# Altium PCB Thunderscope_Rev2.PCBDOC (part 6 of 6)
Units mm, origin at the board's own origin, x right, y up, seen from the top; angles counter-clockwise.
Board outline 119 x 104 mm, 6 copper layers (Top Layer, Int1 (GND), Int2 (Sign), Int3 (Sign), Int4 (GND), Bottom Layer), stack 1.49 mm thick; 547 components, 321 nets, 1905 pads, 1168 vias.
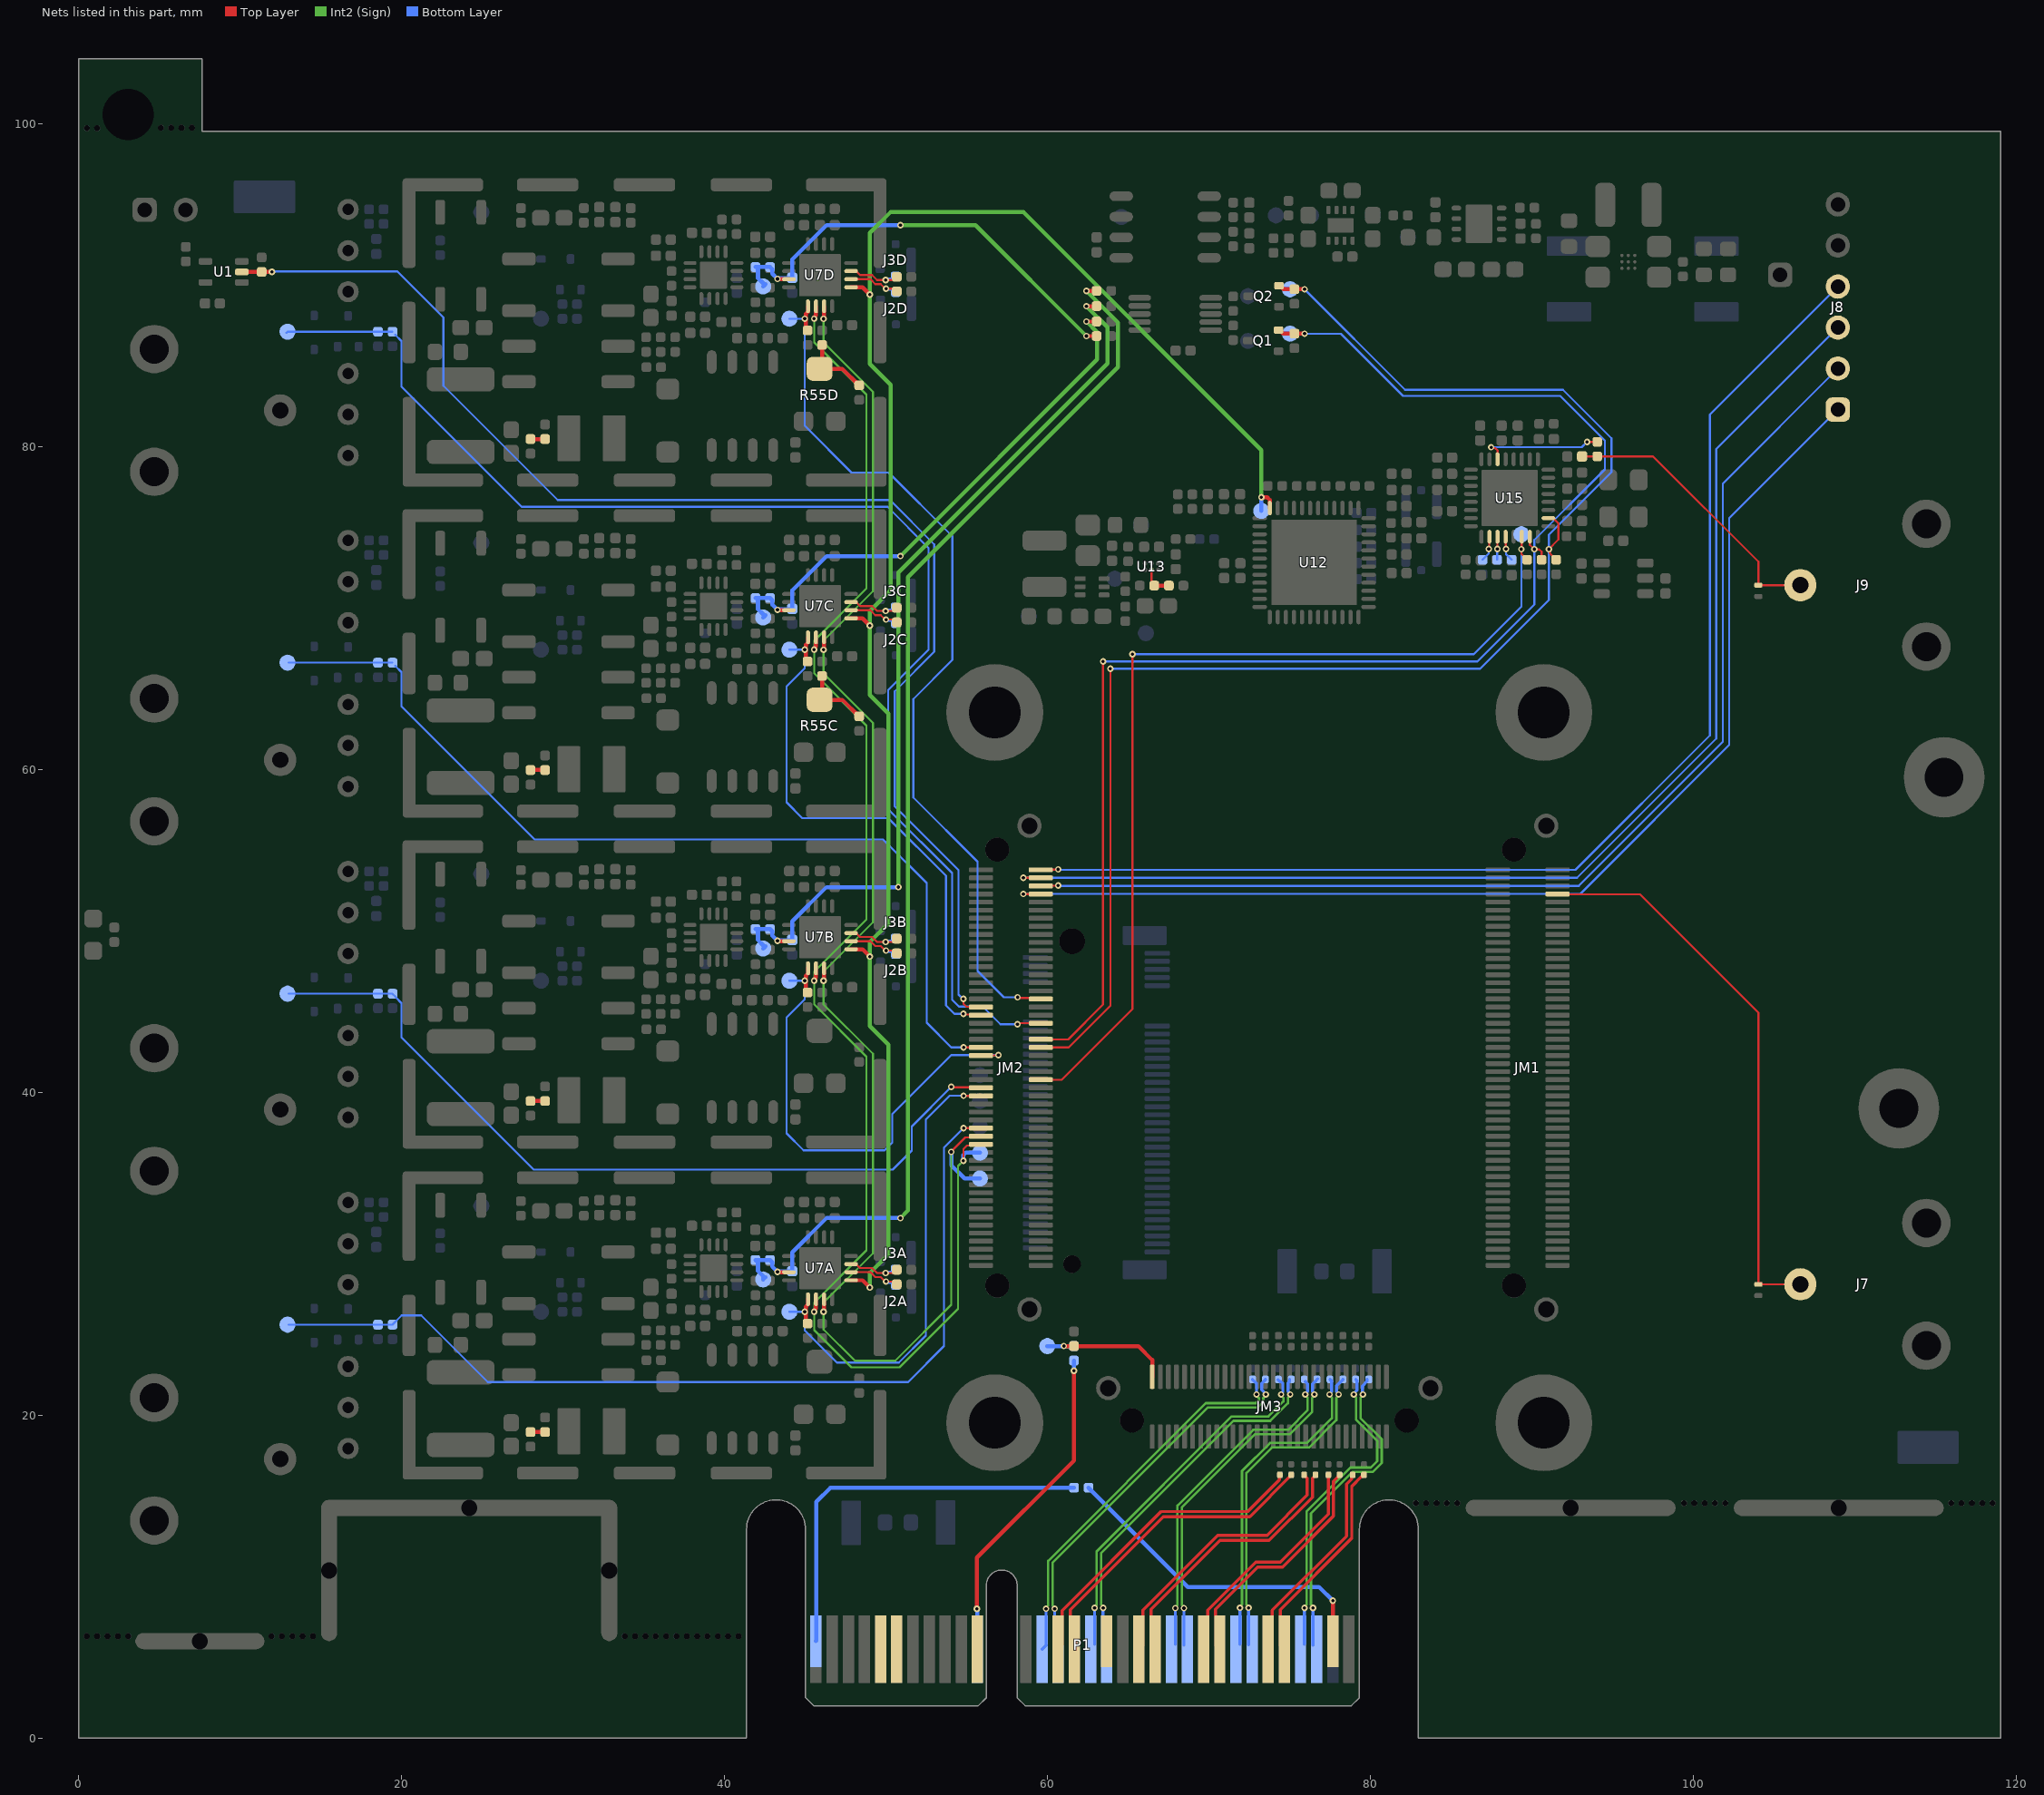
[diagram p10: the nets of this part, all layers, seen from the top]

## Via types
v1: diameter 0.406, hole 0.203, Top Layer to Bottom Layer, tented both sides, 1168 vias

## Nets (pads, with @x,y where several pads share a name; then routed paths per layer and width w, separated by ;. In a path a pad name is that pad's centre, name@x,y a point inside that pad or via, vN(x,y) a via of type N, cw(c..) or ccw(c..) an arc to the next point about the centre after c; other vN are vias at no path point) (continued)
NetR52C_1: R52C.1 R54C.2 R55C.2 | length 4.4
  Top Layer w0.25: R52C.1@46.025,65.775 46.025,64.45 R55C.2@45.875,64.3 47.278,64.3 48.303,63.275 R54C.2@48.325,63.275
NetR52D_1: R52D.1 R54D.2 R55D.2 | length 4.4
  Top Layer w0.25: R52D.1@46.025,86.275 46.025,84.95 R55D.2@45.875,84.8 47.278,84.8 48.303,83.775 R54D.2@48.325,83.775
NetR59_1: R59.1 R61.2 U13.B1 | length 1.9
  Top Layer w0.127: U13.B1@66.425,72.35 66.425,71.55 R59.1@66.6,71.375
  Top Layer w0.254: R59.1@66.6,71.375 R61.2@67.5,71.375
NetR88_1: R88.1 U15.14 | length 7.7
  Top Layer w0.127: v1(87.454,79.943) 87.504,79.893 87.707,79.893 87.85,79.75 U15.14@87.85,79.2 ; v1(93.395,80.275) R88.1@94.025,80.275
  Bottom Layer w0.127: v1(87.454,79.943) 93.063,79.943 v1(93.395,80.275)
NetR92_2: R92.2 U15.28 | length 1.6
  Top Layer w0.127: U15.28@88.35,74.4 88.363,74.387 88.363,73.658 v1(88.375,73.646)
  Bottom Layer w0.127: v1(88.375,73.646) 88.375,73.325 R92.2@88.725,72.975
NetR93_2: R93.2 U15.27 | length 1.4
  Top Layer w0.127: v1(87.841,73.645) 87.846,73.649 87.846,74.396 U15.27@87.85,74.4
  Bottom Layer w0.127: R93.2@87.825,72.975 87.833,72.983 87.833,73.637 v1(87.841,73.645)
NetR94_2: R94.2 U15.26 | length 1.6
  Top Layer w0.127: v1(87.307,73.647) 87.329,73.668 87.329,74.379 U15.26@87.35,74.4
  Bottom Layer w0.127: R94.2@86.925,72.975 87.307,73.357 v1(87.307,73.647)
NetR99A_1: R99A.1 R100A.2 | length 0.9
  Top Layer w0.254: R99A.1@27.975,18.95 R100A.2@28.875,18.95
NetR99B_1: R99B.1 R100B.2 | length 0.9
  Top Layer w0.254: R99B.1@27.975,39.45 R100B.2@28.875,39.45
NetR99C_1: R99C.1 R100C.2 | length 0.9
  Top Layer w0.254: R99C.1@27.975,59.95 R100C.2@28.875,59.95
NetR99D_1: R99D.1 R100D.2 | length 0.9
  Top Layer w0.254: R99D.1@27.975,80.45 R100D.2@28.875,80.45
OUT_RA_N: J2A.1 R40A.1 U7A.14 | length 3.9
  Top Layer w0.127: U7A.14@47.825,28.85 49.018,28.85 49.323,28.545 49.662,28.545 49.938,28.269 v1(49.982,28.269) 50.481,28.269 R40A.1@50.65,28.1
  Bottom Layer w0.127: v1(49.982,28.269) 50.058,28.269 50.136,28.191 50.434,28.191 J2A.1@50.6,28.025
OUT_RA_P: J3A.1 R30A.1 U7A.15 | length 3.8
  Top Layer w0.127: U7A.15@47.825,29.35 48.14,29.35 48.382,29.107 49.125,29.107 49.43,28.802 v1(49.962,28.802) R30A.1@50.467,28.802 ; R30A.1@50.467,28.817 R30A.1@50.65,29
  Bottom Layer w0.127: v1(49.962,28.802) 50.037,28.802 50.111,28.875 50.415,28.875 J3A.1@50.581,29.041
OUT_RB_N: J2B.1 R40B.1 U7B.14 | length 3.9
  Top Layer w0.127: U7B.14@47.825,49.35 49.018,49.35 49.323,49.045 49.662,49.045 49.938,48.769 v1(49.982,48.769) 50.481,48.769 R40B.1@50.65,48.6
  Bottom Layer w0.127: v1(49.982,48.769) 50.058,48.769 50.136,48.691 50.434,48.691 J2B.1@50.6,48.525
OUT_RB_P: J3B.1 R30B.1 U7B.15 | length 3.8
  Top Layer w0.127: U7B.15@47.825,49.85 48.14,49.85 48.382,49.607 49.125,49.607 49.43,49.302 v1(49.962,49.302) R30B.1@50.467,49.302 ; R30B.1@50.467,49.317 R30B.1@50.65,49.5
  Bottom Layer w0.127: v1(49.962,49.302) 50.037,49.302 50.111,49.375 50.415,49.375 J3B.1@50.581,49.541
OUT_RC_N: J2C.1 R40C.1 U7C.14 | length 3.9
  Top Layer w0.127: U7C.14@47.825,69.85 49.018,69.85 49.323,69.545 49.662,69.545 49.938,69.269 v1(49.982,69.269) 50.481,69.269 R40C.1@50.65,69.1
  Bottom Layer w0.127: v1(49.982,69.269) 50.058,69.269 50.136,69.191 50.434,69.191 J2C.1@50.6,69.025
OUT_RC_P: J3C.1 R30C.1 U7C.15 | length 3.8
  Top Layer w0.127: U7C.15@47.825,70.35 48.14,70.35 48.382,70.107 49.125,70.107 49.43,69.802 v1(49.962,69.802) R30C.1@50.467,69.802 ; R30C.1@50.467,69.817 R30C.1@50.65,70
  Bottom Layer w0.127: v1(49.962,69.802) 50.037,69.802 50.111,69.875 50.415,69.875 J3C.1@50.581,70.041
OUT_RD_N: J2D.1 R40D.1 U7D.14 | length 3.9
  Top Layer w0.127: U7D.14@47.825,90.35 49.018,90.35 49.323,90.045 49.662,90.045 49.938,89.769 v1(49.982,89.769) 50.481,89.769 R40D.1@50.65,89.6
  Bottom Layer w0.127: v1(49.982,89.769) 50.058,89.769 50.136,89.691 50.434,89.691 J2D.1@50.6,89.525
OUT_RD_P: J3D.1 R30D.1 U7D.15 | length 3.8
  Top Layer w0.127: U7D.15@47.825,90.85 48.14,90.85 48.382,90.607 49.125,90.607 49.43,90.302 v1(49.962,90.302) R30D.1@50.467,90.302 ; R30D.1@50.467,90.317 R30D.1@50.65,90.5
  Bottom Layer w0.127: v1(49.962,90.302) 50.037,90.302 50.111,90.375 50.415,90.375 J3D.1@50.581,90.541
PCIe_PER0_N: C74.1 P1.A17 | length 22.7
  Int2 (Sign) w0.148: v1@63.429,8.124 63.3,8.253 63.3,11.45 71.491,19.641 73.773,19.641 74.868,20.736 74.868,21.062 75.011,21.205 v1(75.011,21.275)
  Bottom Layer w0.191: P1.A17@63.429,5.765 v1(63.429,8.054) ; C74.1@74.975,22.21 74.975,22.085 74.875,21.985 74.875,21.469 75.011,21.333 v1(75.011,21.275)
PCIe_PER0_P: C75.1 P1.A16 | length 22.8
  Int2 (Sign) w0.148: v1@62.896,8.124 63.025,8.253 63.025,11.564 71.377,19.916 73.659,19.916 74.593,20.85 74.593,21.062 74.45,21.205 v1(74.45,21.275)
  Bottom Layer w0.191: P1.A16@62.896,5.808 v1(62.896,8.054) ; C75.1@74.265,22.195 74.378,22.081 74.44,22.081 74.557,21.964 74.557,21.441 74.45,21.333 v1(74.45,21.275)
PCIe_PER1_N: C70.1 P1.A22 | length 21.3
  Int2 (Sign) w0.148: 68.3,8.242 68.3,14.275 72.843,18.818 74.993,18.818 76.368,20.193 76.368,21.062 76.511,21.205 v1(76.511,21.275) ; 68.3,8.243 v1@68.429,8.113
  Bottom Layer w0.191: P1.A22@68.429,5.755 v1(68.429,8.043) ; v1(76.511,21.275) 76.511,21.333 76.401,21.443 76.401,21.936 76.546,22.081 76.561,22.081 76.716,22.236 C70.1@76.716,22.251
PCIe_PER1_P: C71.1 P1.A21 | length 21.1
  Int2 (Sign) w0.148: v1@67.896,8.113 68.025,8.242 68.025,14.389 72.73,19.093 74.88,19.093 76.093,20.307 76.093,21.062 75.95,21.205 v1(75.95,21.275)
  Bottom Layer w0.191: P1.A21@67.896,5.797 v1(67.896,8.043) ; C71.1@75.94,22.081 75.978,22.081 75.984,22.076 75.984,22.037 76.083,21.938 76.083,21.466 75.95,21.333 v1(75.95,21.275)
PCIe_PER2_N: C66.1 P1.A26 | length 20.3
  Int2 (Sign) w0.148: v1@72.429,8.135 72.3,8.264 72.3,16.425 73.871,17.996 76.171,17.996 77.868,19.693 77.868,21.062 78.011,21.205 v1(78.011,21.275)
  Bottom Layer w0.191: P1.A26@72.429,5.776 v1(72.429,8.065) ; v1(78.011,21.275) 78.011,21.333 77.889,21.455 77.889,21.819 78.152,22.081 78.161,22.081 78.275,22.195 C66.1@78.275,22.21
PCIe_PER2_P: C67.1 P1.A25 | length 20.2
  Int2 (Sign) w0.148: v1@71.896,8.135 72.025,8.264 72.025,16.539 73.757,18.27 76.057,18.27 77.593,19.807 77.593,21.062 77.45,21.205 v1(77.45,21.275)
  Bottom Layer w0.191: P1.A25@71.896,5.819 v1(71.896,8.065) ; v1(77.45,21.275) 77.45,21.333 77.572,21.455 77.572,22.113 C67.1@77.475,22.21
PCIe_PER3_N: C62.1 P1.A30 | length 19.7
  Int2 (Sign) w0.148: v1@76.429,8.121 76.3,8.25 76.3,11.113 76.3,13.911 78.864,16.475 80.114,16.475 80.675,17.036 80.675,18.514 79.368,19.821 79.368,21.062 79.511,21.205 v1(79.511,21.275)
  Bottom Layer w0.191: P1.A30@76.429,5.762 v1(76.429,8.051) ; v1(79.511,21.275) 79.474,21.312 79.474,21.794 79.775,22.095 C62.1@79.775,22.21
PCIe_PER3_P: C15.1 P1.A29 | length 19.7
  Int2 (Sign) w0.148: v1@75.896,8.121 76.025,8.25 76.025,10.999 76.025,14.025 78.75,16.75 80,16.75 80.4,17.15 80.4,18.4 79.093,19.707 79.093,21.062 78.95,21.205 v1(78.95,21.275)
  Bottom Layer w0.191: P1.A29@75.896,5.805 v1(75.896,8.051) ; v1(78.95,21.275) 78.95,21.333 79.157,21.54 79.157,22.128 C15.1@79.075,22.21
PCIe_PERST#: P1.A11 R84.2 | length 20.4
  Top Layer w0.254: v1(55.616,8) 55.616,11.166 61.625,17.175 v1(61.625,22.745)
  Bottom Layer w0.254: v1(55.616,8) 55.633,7.983 55.633,5.517 P1.A11@55.65,5.5 ; v1(61.625,22.745) R84.2@61.625,23.375
PCIe_PET0_N: P1.B15 R80.2 | length 19.7
  Top Layer w0.191: P1.B15@61.65,5.5 61.4,5.75 61.4,7.95 67.157,13.707 72.507,13.707 75.075,16.275 R80.2@75.075,16.3
PCIe_PET0_P: P1.B14 R81.2 | length 19.6
  Top Layer w0.191: P1.B14@60.65,5.5 60.9,5.75 60.9,7.899 67.026,14.025 72.376,14.025 74.342,15.991 74.342,16.267 R81.2@74.375,16.3
PCIe_PET1_N: P1.B20 R76.2 | length 16.9
  Top Layer w0.191: P1.B20@66.65,5.5 66.4,5.75 66.4,7.975 70.657,12.232 73.707,12.232 76.384,14.909 76.384,16.084 76.575,16.275 R76.2@76.575,16.3
PCIe_PET1_P: P1.B19 R77.2 | length 17
  Top Layer w0.191: P1.B19@65.65,5.5 65.9,5.75 65.9,7.924 70.526,12.55 73.576,12.55 76.066,15.041 76.066,16.084 75.875,16.275 R77.2@75.875,16.3
PCIe_PET2_N: P1.B24 R72.2 | length 15
  Top Layer w0.191: P1.B24@70.65,5.5 70.395,5.755 70.395,7.614 70.393,7.616 70.393,7.968 73.007,10.582 74.532,10.582 77.693,13.743 77.693,15.893 77.995,16.195 77.995,16.22 R72.2@78.075,16.3
PCIe_PET2_P: P1.B23 R73.2 | length 15
  Top Layer w0.191: P1.B23@69.9,5.249 69.9,7.924 72.876,10.9 74.401,10.9 77.375,13.874 R73.2@77.375,16.3
PCIe_PET3_N: P1.B28 R68.2 | length 13.1
  Top Layer w0.191: P1.B28@74.65,5.5 74.4,5.75 74.4,7.95 78.824,12.374 78.824,15.588 79.431,16.195 79.495,16.195 79.575,16.275 R68.2@79.575,16.3
PCIe_PET3_P: P1.B27 R69.2 | length 13
  Top Layer w0.191: P1.B27@73.905,5.316 73.905,7.904 78.506,12.505 78.506,15.72 78.807,16.021 78.807,16.232 R69.2@78.875,16.3
PCIe_REFCLK_N: C40.1 P1.A14 | length 24.3
  Int2 (Sign) w0.148: v1(60.429,8.009) 60.429,8.079 60.3,8.209 60.3,9.567 60.3,10.861 69.903,20.464 72.989,20.464 73.347,20.822 73.347,21.052 73.5,21.205 v1(73.5,21.275)
  Bottom Layer w0.191: v1(60.429,8.009) 60.429,5.721 P1.A14@60.65,5.5 ; C40.1@73.475,22.21 73.475,22.185 73.243,21.953 73.243,21.57 73.5,21.312 v1(73.5,21.275)
PCIe_REFCLK_P: C79.1 P1.A13 | length 24.3
  Int2 (Sign) w0.148: v1(59.896,8.009) 59.896,8.079 60.025,8.208 60.025,9.453 60.025,10.975 69.789,20.739 72.875,20.739 73.072,20.936 73.072,21.058 72.925,21.205 v1(72.925,21.275)
  Bottom Layer w0.191: P1.A13@59.65,5.5 59.905,5.755 59.896,5.763 v1(59.896,8.009) ; C79.1@72.675,22.21 72.675,22.195 72.789,22.081 72.798,22.081 72.925,21.955 v1(72.925,21.275)
PERST#: JM3.60 R84.1 R85.1 TP39.1 | length 8.5
  Top Layer w0.254: v1(60.995,24.275) R85.1@61.625,24.275 65.6,24.275 66.468,23.407 JM3.60@66.468,22.372
  Bottom Layer w0.254: TP39.1@59.975,24.275 v1(60.995,24.275) R84.1@61.625,24.275
PGA_CSn_1: JM2.43 R29A.1 TP26A.1 U7A.9 | length 30.1
  Top Layer w0.127: v1@54.789,39.773 JM2.43@55.831,39.773
  Top Layer w0.25: v1(44.95,26.4) 45.013,26.337 45.013,25.787 R29A.1@45.125,25.675 ; v1@44.967,26.4 45.013,26.446 45.013,26.705 45.15,26.842 U7A.9@45.15,27.175
  Bottom Layer w0.127: TP26A.1@44,26.4 v1(44.95,26.4) 44.95,25.25 46.95,23.25 50.775,23.25 52.45,24.925 52.45,38.3 53.925,39.775 v1(54.787,39.775)
PGA_CSn_2: JM2.53 R29B.1 TP26B.1 U7B.9 | length 30.6
  Top Layer w0.127: JM2.53@55.877,42.285 v1@56.933,42.285
  Top Layer w0.25: v1(44.95,46.9) 45.013,46.837 45.013,46.287 R29B.1@45.125,46.175 ; v1@44.967,46.9 45.013,46.946 45.013,47.205 45.15,47.342 U7B.9@45.15,47.675
  Bottom Layer w0.127: TP26B.1@44,46.9 v1(44.95,46.9) 44.95,45.75 43.825,44.625 43.825,37.45 44.875,36.4 49.9,36.4 50.375,36.875 50.375,38.65 54.025,42.3 v1(56.947,42.3)
PGA_CSn_3: JM2.63 R29C.1 TP26C.1 U7C.9 | length 34.7
  Top Layer w0.127: v1(54.775,44.85) 54.815,44.81 55.794,44.81 JM2.63@55.831,44.773
  Top Layer w0.25: v1(44.95,67.4) 45.013,67.337 45.013,66.787 R29C.1@45.125,66.675 ; v1@44.967,67.4 45.013,67.446 45.013,67.705 45.15,67.842 U7C.9@45.15,68.175
  Bottom Layer w0.127: TP26C.1@44,67.4 v1(44.95,67.4) 44.95,66.25 43.825,65.125 43.825,57.95 44.8,56.975 50.125,56.975 53.7,53.4 53.7,45.375 54.225,44.85 v1(54.775,44.85)
PGA_CSn_4: JM2.68 R29D.1 TP26D.1 U7D.9 | length 55.4
  Top Layer w0.127: v1(58.13,45.875) 58.174,45.831 59.507,45.831 JM2.68@59.565,45.773
  Top Layer w0.25: v1(44.95,87.9) 45.013,87.837 45.013,87.287 R29D.1@45.125,87.175 ; v1@44.967,87.9 45.013,87.946 45.013,88.205 45.15,88.342 U7D.9@45.15,88.675
  Bottom Layer w0.127: TP26D.1@44,87.9 v1(44.95,87.9) 44.95,86.75 44.95,81.275 47.85,78.375 50.15,78.375 54.1,74.425 54.1,66.775 51.675,64.35 51.675,58.25 55.65,54.275 55.65,47.5 57.275,45.875 v1(58.13,45.875)
PGA_SCLK: JM2.33 TP17.1 U7A.11 U7B.11 U7C.11 U7D.11 | length 98.2
  Top Layer w0.127: v1(54.025,36.3) 54.025,36.325 54.891,37.191 55.783,37.191 JM2.33@55.865,37.273
  Top Layer w0.25: v1(46.118,26.395) 46.15,26.427 U7A.11@46.15,27.175 ; v1(46.118,46.895) 46.15,46.927 U7B.11@46.15,47.675 ; v1(46.118,67.395) 46.15,67.427 U7C.11@46.15,68.175 ; v1(46.118,87.895) 46.15,87.927 U7D.11@46.15,88.675
  Int2 (Sign) w0.127: v1(46.118,87.895) 46.118,86.432 49.175,83.375 49.175,71.025 46.118,67.968 v1(46.118,67.395) 46.118,65.932 49.175,62.875 49.175,50.525 46.118,47.468 v1(46.118,46.895) 46.118,45.432 49.175,42.375 49.175,30.025 46.118,26.968 v1(46.118,26.395) 46.118,25.307 48.066,23.359 50.558,23.359 54.025,26.826 v1(54.025,36.3)
  Bottom Layer w0.254: v1(54.025,36.3) 54.025,35.476 54.851,34.65 TP17.1@55.8,34.65
PGA_SDIO: JM2.31 TP18.1 U7A.10 U7B.10 U7C.10 U7D.10 | length 98
  Top Layer w0.127: v1(54.775,35.75) 54.775,36.475 54.991,36.691 55.788,36.691 JM2.31@55.867,36.771
  Top Layer w0.25: v1(45.534,26.4) 45.534,26.489 45.65,26.605 U7A.10@45.65,27.175 ; v1(45.534,46.9) 45.534,46.989 45.65,47.105 U7B.10@45.65,47.675 ; v1(45.534,67.4) 45.534,67.489 45.65,67.605 U7C.10@45.65,68.175 ; v1(45.534,87.9) 45.534,87.989 45.65,88.105 U7D.10@45.65,88.675
  Int2 (Sign) w0.127: v1(45.534,87.9) 45.534,86.441 48.775,83.2 48.775,71.2 45.534,67.959 v1(45.534,67.4) 45.534,65.941 48.775,62.7 48.775,50.7 45.534,47.459 v1(45.534,46.9) 45.534,45.441 48.775,42.2 48.775,30.2 45.534,26.959 v1(45.534,26.4) 45.534,25.266 47.85,22.95 50.825,22.95 54.45,26.575 54.45,35.425 v1(54.775,35.75)
  Bottom Layer w0.254: v1(54.775,35.75) 54.775,36.101 54.924,36.25 TP18.1@55.8,36.25
PLL_RSTn: JM2.48 R89.1 TP44.1 U15.30 | length 60.8
  Top Layer w0.127: JM2.48@59.567,40.771 60.868,40.771 65.25,45.153 v1(65.25,67.125) ; U15.30@89.35,74.4 89.338,74.388 89.338,73.638 v1(89.325,73.625) 89.325,73.325 R89.1@89.675,72.975
  Bottom Layer w0.127: v1(65.25,67.125) 86.375,67.125 89.325,70.075 v1(89.325,73.625) TP44.1@89.325,74.55
PROBE_COMP: JM2.65 R2.2 U1.2 | length 84.8
  Top Layer w0.127: v1(54.775,45.775) 54.777,45.773 54.777,45.473 54.965,45.285 JM2.65@55.877,45.285
  Top Layer w0.254: U1.2@10.1,90.8 R2.2@11.325,90.8 v1(11.955,90.8)
  Bottom Layer w0.127: v1(11.955,90.8) 11.98,90.825 19.725,90.825 22.575,87.975 22.575,83.75 29.65,76.675 50.225,76.675 52.975,73.925 52.975,67.275 50.525,64.825 50.525,57.7 54.475,53.75 54.475,46.05 54.75,45.775 v1(54.775,45.775)
PRSNT1#: P1.A1 R86.1 | length 25
  Bottom Layer w0.254: P1.A1@45.637,6.012 P1.A1@45.65,6 45.675,6.025 45.675,14.625 46.55,15.5 R86.1@61.625,15.5
PRSNT2#_1: P1.B17
PRSNT2#_4: P1.B31 R86.2 | length 20.5
  Top Layer w0.254: P1.B31@77.65,6 v1(77.65,8.5)
  Bottom Layer w0.254: R86.2@62.525,15.5 68.675,9.35 76.8,9.35 v1(77.65,8.5)
REFINOUT: C96.2 D5.1 J9.1 R88.2 | length 17.7
  Top Layer w0.127: C96.2@93.085,79.375 R88.2@94.025,79.375 97.475,79.375 104,72.85 D5.1@104,71.4 J9.1@106.6,71.4
SCL: JM2.58 Q1.3 R20.1 R90.1 TP43.1 U15.31 | length 92
  Top Layer w0.127: JM2.58@59.567,43.271 61.271,43.271 63.425,45.425 v1(63.425,66.675) ; U15.31@89.85,74.4 89.854,74.396 89.854,73.896 90.131,73.619 90.422,73.619 90.575,73.466 R90.1@90.575,72.975
  Top Layer w0.254: Q1.3@74.29,87.195 74.355,87.195 74.571,86.98 R20.1@75.275,86.98 75.277,86.978 75.903,86.978 v1(75.905,86.975)
  Bottom Layer w0.127: v1(63.425,66.675) 86.6,66.675 90.125,70.2 v1(90.125,73.625) 90.125,74.2 94.5,78.575 94.5,80.35 91.725,83.125 82,83.125 78.15,86.975 v1(75.905,86.975) TP43.1@75,86.975
SDA: JM2.56 Q2.3 R21.1 R91.1 TP42.1 U15.2 | length 95.9
  Top Layer w0.127: JM2.56@59.567,42.771 61.296,42.771 63.875,45.35 v1(63.875,66.225) ; U15.2@91,75.55 91.3,75.55 91.625,75.225 91.625,74.225 v1(91.025,73.625) 91.078,73.572 91.078,73.372 R91.1@91.475,72.975 ; R91.1@91.475,72.95 R91.1@91.625,73.1
  Top Layer w0.254: Q2.3@74.315,89.945 74.38,89.945 74.596,89.73 R21.1@75.275,89.73 75.277,89.728 75.903,89.728 v1(75.905,89.725)
  Bottom Layer w0.127: v1(63.875,66.225) 86.775,66.225 91.025,70.475 v1(91.025,73.625) 91.025,74.525 94.9,78.4 94.9,80.5 91.9,83.5 82.13,83.5 v1(75.905,89.725) TP42.1@75,89.725
SMCLK: P1.B5
SMDAT: P1.B6
SYNC: D4.1 J7.1 JM1.94 | length 34.9
  Top Layer w0.127: JM1.94@91.567,52.271 91.588,52.25 96.675,52.25 104,44.925 D4.1@104,28.1 104.094,28.1 D4.1@104.179,28.186 ; 104.261,28.1 J7.1@106.6,28.1
TCK: J8.4 JM2.100 | length 76
  Top Layer w0.127: JM2.100@59.567,53.771 59.582,53.785 60.633,53.785 v1(60.647,53.8)
  Bottom Layer w0.127: v1(60.647,53.8) 60.672,53.775 92.675,53.775 101,62.1 101,81.97 J8.4@108.925,89.895
TDI: J8.2 JM2.96 | length 72
  Top Layer w0.127: JM2.96@59.567,52.771 59.582,52.785 60.633,52.785 v1(60.647,52.8)
  Bottom Layer w0.127: v1(60.647,52.8) 60.672,52.775 92.875,52.775 101.8,61.7 101.8,77.69 J8.2@108.925,84.815
TDO: J8.3 JM2.98 | length 76.1
  Top Layer w0.127: v1(58.487,53.275) 58.491,53.271 JM2.98@59.567,53.271
  Bottom Layer w0.127: v1(58.487,53.275) 92.775,53.275 101.4,61.9 101.4,79.83 J8.3@108.925,87.355
TERM_1: JM2.35 R97A.2 R98A.2 TP24A.1 | length 58.5
  Top Layer w0.127: v1(54.787,37.775) 54.789,37.773 55.798,37.773 JM2.35@55.8,37.775
  Bottom Layer w0.127: TP24A.1@13,25.6 R97A.2@18.525,25.6 R98A.2@19.425,25.6 20,26.175 21.2,26.175 25.325,22.05 51.35,22.05 53.575,24.275 53.575,36.563 v1(54.787,37.775)
TERM_2: JM2.45 R97B.2 R98B.2 TP24B.1 | length 51.7
  Top Layer w0.127: v1(54.025,40.325) 54.052,40.298 55.865,40.298 JM2.45@55.877,40.285
  Bottom Layer w0.127: TP24B.1@13,46.1 R97B.2@18.525,46.1 R98B.2@19.425,46.1 19.425,46.088 19.598,45.915 19.598,45.898 19.979,45.517 19.979,43.396 28.175,35.2 50.397,35.2 51.575,36.378 51.575,37.875 v1(54.025,40.325)
TERM_3: JM2.55 R97C.2 R98C.2 TP24C.1 | length 58.8
  Top Layer w0.127: v1@54.789,42.773 JM2.55@55.831,42.773
  Bottom Layer w0.127: TP24C.1@13,66.6 R97C.2@18.525,66.6 R98C.2@19.425,66.6 ; R98C.2@19.598,66.398 19.979,66.017 19.979,63.896 28.225,55.65 49.8,55.65 52.5,52.95 52.5,44.3 54.025,42.775 v1(54.787,42.775)
TERM_4: JM2.62 R97D.2 R98D.2 TP24D.1 | length 83.5
  Top Layer w0.127: v1(58.125,44.2) 58.201,44.2 58.273,44.273 59.565,44.273 JM2.62@59.567,44.271
  Bottom Layer w0.127: TP24D.1@12.85,87.025 TP24D.1@12.925,87.1 ; TP24D.1@13,87.1 R97D.2@18.525,87.1 R98D.2@19.425,87.1 ; R98D.2@19.598,86.898 19.979,86.517 19.979,83.696 27.425,76.25 50.075,76.25 52.625,73.7 52.625,67.4 50.125,64.9 50.125,57.525 54.075,53.575 54.075,45.725 54.5,45.3 55.975,45.3 57.075,44.2 v1(58.125,44.2)
TMS: J8.1 JM2.94 | length 72.2
  Top Layer w0.127: v1(58.487,52.275) 58.491,52.271 JM2.94@59.567,52.271
  Bottom Layer w0.127: v1(58.487,52.275) 92.975,52.275 102.2,61.5 102.2,75.55 J8.1@108.925,82.275
TRIM1: C102A.1 R15.1 R45A.1 R53A.2 TP23A.1 U7A.7 | length 78.3
  Top Layer w0.25: v1(43.266,28.869) 43.286,28.85 U7A.7@43.975,28.85 ; v1(62.395,89.625) 62.397,89.628 63.022,89.628 R15.1@63.025,89.63
  Int2 (Sign) w0.254: v1(50.875,32.2) 51.35,32.675 51.35,71.9 64.35,84.9 64.35,87.67 v1(62.395,89.625)
  Bottom Layer w0.25: R45A.1@41.9,29.6 R53A.2@42.8,29.6 42.939,29.461 42.939,29.197 v1(43.266,28.869) 43.309,28.869 43.349,28.91 C102A.1@44.175,28.91 ; TP23A.1@42.375,28.4 TP23A.1@42.519,28.544
  Bottom Layer w0.254: R45A.1@41.9,29.6 42.058,29.442 42.058,28.919 42.375,28.602 TP23A.1@42.375,28.4 ; C102A.1@44.175,28.91 44.175,30.075 46.3,32.2 v1(50.875,32.2)
TRIM2: C102B.1 R17.1 R45B.1 R53B.2 TP23B.1 U7B.7 | length 55.7
  Top Layer w0.25: v1(43.266,49.369) 43.286,49.35 U7B.7@43.975,49.35 ; v1(62.395,88.675) 62.397,88.678 63.022,88.678 R17.1@63.025,88.68
  Int2 (Sign) w0.254: v1(50.75,52.7) 50.75,72.175 63.7,85.125 63.7,87.37 v1(62.395,88.675)
  Bottom Layer w0.25: R45B.1@41.9,50.1 R53B.2@42.8,50.1 42.939,49.961 42.939,49.697 v1(43.266,49.369) ; TP23B.1@42.375,48.9 TP23B.1@42.519,49.044 ; v1@43.296,49.399 C102B.1@44.139,49.399
  Bottom Layer w0.254: R45B.1@42.058,49.942 42.058,49.419 TP23B.1@42.375,49.102 ; C102B.1@44.175,49.435 44.175,50.575 46.3,52.7 v1(50.75,52.7)
TRIM3: C102C.1 R18.1 R45C.1 R53C.2 TP23C.1 U7C.7 | length 33.8
  Top Layer w0.25: v1(43.266,69.869) 43.286,69.85 U7C.7@43.975,69.85 ; v1(62.395,87.725) 62.397,87.728 63.022,87.728 R18.1@63.025,87.73
  Int2 (Sign) w0.254: v1(50.875,73.2) 63.05,85.375 63.05,87.07 v1(62.395,87.725)
  Bottom Layer w0.25: R45C.1@41.9,70.6 R53C.2@42.8,70.6 42.939,70.461 42.939,70.197 v1(43.266,69.869) ; TP23C.1@42.375,69.4 TP23C.1@42.519,69.544 ; v1@43.296,69.899 C102C.1@44.139,69.899
  Bottom Layer w0.254: R45C.1@42.058,70.442 42.058,69.919 TP23C.1@42.375,69.602 ; C102C.1@44.175,69.935 44.175,71.075 46.3,73.2 v1(50.875,73.2)
TRIM4: C102D.1 R19.1 R45D.1 R53D.2 TP23D.1 U7D.7 | length 28.4
  Top Layer w0.25: v1(43.266,90.369) 43.286,90.35 U7D.7@43.975,90.35 ; v1(62.395,86.825) 62.397,86.828 63.022,86.828 R19.1@63.025,86.83
  Int2 (Sign) w0.254: v1(50.875,93.7) 55.52,93.7 v1(62.395,86.825)
  Bottom Layer w0.25: R45D.1@41.9,91.1 R53D.2@42.8,91.1 42.939,90.961 42.939,90.697 v1(43.266,90.369) 43.296,90.399 44.139,90.399 C102D.1@44.175,90.435 ; TP23D.1@42.375,89.9 TP23D.1@42.519,90.044
  Bottom Layer w0.254: R45D.1@42.058,90.942 42.058,90.419 TP23D.1@42.375,90.102 ; C102D.1@44.175,90.435 44.175,91.575 46.3,93.7 v1(50.875,93.7)
VCM: TP16.1 U7A.13 U7B.13 U7C.13 U7D.13 U12.48 | length 109.4
  Top Layer w0.25: U7A.13@47.825,28.35 48.525,28.35 v1(48.975,27.9) ; U7B.13@47.825,48.85 48.525,48.85 v1(48.975,48.4) ; U7C.13@47.825,69.35 48.525,69.35 v1(48.975,68.9) ; U7D.13@47.825,89.85 48.525,89.85 v1(48.975,89.4)
  Top Layer w0.254: v1(73.229,76.846) 73.584,76.846 73.743,76.687 U12.48@73.743,76.175
  Int2 (Sign) w0.254: v1(48.975,27.9) 48.975,28.8 50.125,29.95 50.125,42.95 48.975,44.1 v1(48.975,48.4) 48.975,49.3 50.125,50.45 50.125,63.45 48.975,64.6 v1(48.975,68.9) 48.975,69.8 50.275,71.1 50.275,83.8 48.975,85.1 v1(48.975,89.4) 48.975,93.214 50.261,94.5 58.5,94.5 73.229,79.771 v1(73.229,76.846)
  Bottom Layer w0.254: TP16.1@73.225,76 73.227,76.002 73.227,76.844 v1(73.229,76.846)
WAKE#: P1.B11
pads on no net: J10.1 J10.7 J10.9 J10.11 J10.21 J10.23 J10.25 J10.27 J10.29 J10.31 J10.33 J10.35 J10.37 J10.39 J10.41 J10.43 J10.45 J10.47 J10.51 J10.53 J10.55 J10.57 J10.67 J10.68 J10.75 J10.78 J10.79 JM1. JM1.3 JM1.5 JM1.8 JM1.9 JM1.10 JM1.11 JM1.12 JM1.13 JM1.15 JM1.17 JM1.18 JM1.20 JM1.21 JM1.22 JM1.23 JM1.24 JM1.26 JM1.27 JM1.28 JM1.29 JM1.31 JM1.32 JM1.34 JM1.35 JM1.36 JM1.37 JM1.38 JM1.39 JM1.40 JM1.41 JM1.42 JM1.44 JM1.45 JM1.46 JM1.47 JM1.48 JM1.49 JM1.50 JM1.51 JM1.52 JM1.56 JM1.58 JM1.66 JM1.68 JM1.70 JM1.72 JM1.75 JM1.77 JM1.80 JM1.82 JM1.84 JM1.86 JM1.88 JM1.90 JM1.91 JM1.92 JM1.98 JM1.100 JM2. JM2.6 JM2.9 JM2.11 JM2.12 JM2.13 JM2.14 JM2.15 JM2.16 JM2.17 JM2.18 JM2.20 JM2.21 JM2.22 JM2.23 JM2.24 JM2.25 JM2.26 JM2.27 JM2.28 JM2.30 JM2.32 JM2.34 JM2.36 JM2.38 JM2.67 JM2.71 JM2.72 JM2.73 JM2.74 JM2.75 JM2.76 JM2.77 JM2.78 JM2.81 JM2.82 JM2.83 JM2.84 JM2.85 JM2.86 JM2.87 JM2.88 JM2.90 JM2.91 JM2.93 JM2.95 JM2.97 JM2.99 JM3. JM3.1 JM3.2 JM3.3 JM3.4 JM3.31 JM3.33 JM3.37 JM3.38 JM3.39 JM3.40 JM3.41 JM3.42 JM3.43 JM3.44 JM3.47 JM3.48 JM3.49 JM3.50 JM3.51 JM3.52 JM3.53 JM3.54 JM3.55 JM3.56 JM3.57 JM3.58 JM3.59 P1.A2 P1.A3 P1.A19 P1.A32 P1.B1 P1.B2 P1.B3 P1.B12 P1.B30 R55A.1 R55B.1 R55C.1 R55D.1 U1.1 U5.1 U5.5 U5.8 U6.5 U7A.1 U7A.2 U7A.16 U7B.1 U7B.2 U7B.16 U7C.1 U7C.2 U7C.16 U7D.1 U7D.2 U7D.16 U8A.9 U8A.13 U8A.16 U8B.9 U8B.13 U8B.16 U8C.9 U8C.13 U8C.16 U8D.9 U8D.13 U8D.16 U9A.1 U9A.5 U9A.8 U9B.1 U9B.5 U9B.8 U9C.1 U9C.5 U9C.8 U9D.1 U9D.5 U9D.8 U11.6 U15.4 U15.10 U15.11 U15.15 U15.20 U15.21

## Polygon pours and split planes (outlines as drawn)
GND on Top Layer "GND_L05_P-001" (solid, remove dead copper, pour order 70): 0,0 0,104 119,104 119,0
+3V3 on Top Layer "+3V3_L01_P-002" (solid, pour order 65): 56.95,31.5 58.45,31.5 58.45,29.025 56.95,29.025
+3V3 on Top Layer "+3V3_L01_P-001" (solid, pour order 64): 99.875,91.075 101.375,91.075 101.375,89.125 99.875,89.125
+4V8 on Top Layer "+4V8_L01_P-001" (solid, pour order 63): 88.782,93.225 88.782,91.7 88.2,91.7 88.2,90.2 90.625,90.2 90.625,93.225
NetC2_2 on Top Layer "NetC2_2_L01_P-001" (solid, pour order 56): 98.6,92.35 98.6,96.3 96.275,96.3 96.275,92.35
NetC3_2 on Top Layer "NetC3_2_L01_P-001" (solid, pour order 55): 94.025,92.35 94.025,93.025 96.025,93.025 96.025,92.35
+3V3_M2 on Top Layer "+3V3_M2_L01_P-001" (solid, pour order 53): 67.25,48.875 68.5,48.875 68.5,31.875 77.75,31.875 77.75,27 67.25,27
GND on Bottom Layer "GND_L05_P-001" (solid, remove dead copper, pour order 69): 0,0 0,104 119,104 119,0
NetL1_2 on Bottom Layer "NetL1_2_L01_P-001" (solid, pour order 57): 94.5,90.75 94.5,96.125 95.875,96.125 95.875,90.75
+3V3_PCIe on Bottom Layer "+3V3_PCIe_L01_P-001" (solid, pour order 54): 55,7.75 52.3,7.75 52.3,11.925 50.725,11.925 50.725,14.75 52.3,14.75 55,14.75
GND on Int2 (Sign) "GND_L05_P-001" (solid, remove dead copper, pour order 68): 0,0 0,104 119,104 119,0
+1V8APLL on Int2 (Sign) "+1V8APLL_L01_P-001" (solid, pour order 61): 84.425,72.65 94.875,72.65 94.875,79.975 93.7,81.15 93.6,81.05 85.075,81.05 84.425,80.4 84.425,73.25
+1V8A on Int2 (Sign) "+1V8A_L01_P-001" (solid, pour order 60): 68.5,76.425 80.25,76.425 80.25,79.375 81.6,79.375 81.6,72.875 72,72.875 72,73.525 68.5,73.525
+1V8D on Int2 (Sign) "+1V8D_L01_P-001" (solid, pour order 59): 67.05,76.425 67.05,70.125 81.6,70.125 81.6,72.875 72,72.875 72,73.525 68.5,73.525 68.5,76.425
NetC60_2 on Int2 (Sign) "NetC60_2_L01_P-001" (solid, pour order 58): 69.25,78.125 64.475,78.125 64.475,68.25 88.25,68.25 88.25,70.125 88.25,72.5 81.75,72.5 81.75,70.125 67.05,70.125 67.05,76.575 69.25,76.575
-4V8 on Int2 (Sign) "-4V8_L03_P-001" (solid, remove dead copper, pour order 67): 75.9,94.5 75.9,100 0,100 0,0 41,0 41,16 50,16 50,94.5
+3V3 on Int3 (Sign) "+3V3_L04_P-001" (solid, remove dead copper, pour order 66): 0,0 0,104 119,104 119,0
+4V8 on Int3 (Sign) "+4V8_L04_P-001" (solid, remove dead copper, pour order 62): 68,90.1 68,84.5 75,84.5 75,90.1 91,90.1 91,95.7 35,95.7 35,24 46.6,24 46.6,90.1
GND on Int4 (GND) "GND_L05_P-001" (solid, remove dead copper, pour order 51): 0,0 0,104 119,104 119,0
GND on Int1 (GND) "GND_L05_P-001" (solid, remove dead copper, pour order 52): 0,0 0,104 119,104 119,0

## Keep-outs
Top Layer:
  region: 119,14.875 119,99 118,99 118,14.875
  rectangle: 0,97 119,99.5
  rectangle: 79.3,13.025 119,15.75
  region: 15,14.7 15.05,14.7 33.3,14.7 33.3,9.95 ccw(c33.35,9.95) 33.35,9.9 41.35,9.9 ccw(c41.35,9.95) 41.4,9.95 41.4,12.925 cw(c43.175,12.925) 44.95,12.925 ccw(c45,12.925) 45,12.875 45,15.8 15,15.8
Int1 (GND):
  lines w0.5: 17.375,17.925 17.625,17.925 ccw(c17.625,19.225) 18.925,19.225 18.925,21.35 cw(c20.325,21.35) 20.325,22.75 21.05,22.75 ; 17.375,38.425 17.625,38.425 ccw(c17.625,39.725) 18.925,39.725 18.925,41.85 cw(c20.325,41.85) 20.325,43.25 21.05,43.25 ; 17.375,58.925 17.625,58.925 ccw(c17.625,60.225) 18.925,60.225 18.925,62.35 cw(c20.325,62.35) 20.325,63.75 21.05,63.75 ; 17.375,79.425 17.625,79.425 ccw(c17.625,80.725) 18.925,80.725 18.925,82.85 cw(c20.325,82.85) 20.325,84.25 21.05,84.25
Int2 (Sign):
  lines w0.5: 17.375,17.925 17.625,17.925 ccw(c17.625,19.225) 18.925,19.225 18.925,21.35 cw(c20.325,21.35) 20.325,22.75 21.05,22.75 ; 17.375,38.425 17.625,38.425 ccw(c17.625,39.725) 18.925,39.725 18.925,41.85 cw(c20.325,41.85) 20.325,43.25 21.05,43.25 ; 17.375,58.925 17.625,58.925 ccw(c17.625,60.225) 18.925,60.225 18.925,62.35 cw(c20.325,62.35) 20.325,63.75 21.05,63.75 ; 17.375,79.425 17.625,79.425 ccw(c17.625,80.725) 18.925,80.725 18.925,82.85 cw(c20.325,82.85) 20.325,84.25 21.05,84.25
Int3 (Sign):
  lines w0.5: 17.375,17.925 17.625,17.925 ccw(c17.625,19.225) 18.925,19.225 18.925,21.35 cw(c20.325,21.35) 20.325,22.75 21.05,22.75 ; 17.375,38.425 17.625,38.425 ccw(c17.625,39.725) 18.925,39.725 18.925,41.85 cw(c20.325,41.85) 20.325,43.25 21.05,43.25 ; 17.375,58.925 17.625,58.925 ccw(c17.625,60.225) 18.925,60.225 18.925,62.35 cw(c20.325,62.35) 20.325,63.75 21.05,63.75 ; 17.375,79.425 17.625,79.425 ccw(c17.625,80.725) 18.925,80.725 18.925,82.85 cw(c20.325,82.85) 20.325,84.25 21.05,84.25
Bottom Layer:
  region: 119,14.875 119,99 118,99 118,14.875
  rectangle: 0,97 119,99.5
  rectangle: 79.3,13.025 119,15.75
  region: 15,14.7 15.05,14.7 33.3,14.7 33.3,9.95 ccw(c33.35,9.95) 33.35,9.9 41.35,9.9 ccw(c41.35,9.95) 41.4,9.95 41.4,12.925 cw(c43.175,12.925) 44.95,12.925 ccw(c45,12.925) 45,12.875 45,15.8 15,15.8
Top Solder:
  rectangle: 33.35,6.625 41.35,9.95
Bottom Solder:
  rectangle: 33.35,6.625 41.35,9.95
KeepOutLayer:
  rectangle: 0,96 7.65,104
  rectangle: 33.35,6.625 41.35,9.95
  region: 81.125,15.25 81.125,0 119,0 119,15.25
  region: 0,0 0,7 16,7 16,13.75 32.35,13.75 32.35,7 41.35,7 41.35,0

## Other copper
Top Layer:
  pour cut-out: 59,83.696 59,82.204 59.273,82.204 59.275,82.205 59.275,83.696
  pour cut-out: 80.6,48.525 80.6,47 87.075,47 87.075,48.525
  pour cut-out: 86.787,50.975 86.787,51.475 87.075,51.475 87.075,51.925 86.787,51.925 86.45,51.925 86.45,50.975
  pour cut-out: 74.425,9.967 75.125,9.967 75.125,10.075 74.425,10.075
  pour cut-out: 72.8,69.1 80.2,69.1 80.2,76.5 72.8,76.5
  pour cut-out: 85.85,74.05 91.35,74.05 91.35,79.55 85.85,79.55
  pour cut-out: 20.85,34.3 49.225,34.3 49.225,16.8 20.85,16.8
  pour cut-out: 20.85,54.8 49.225,54.8 49.225,37.3 20.85,37.3
  pour cut-out: 20.85,75.3 49.225,75.3 49.225,57.8 20.85,57.8
  pour cut-out: 20.85,95.8 49.225,95.8 49.225,78.3 20.85,78.3
  pour cut-out: 65.575,73.2 67.275,73.2 67.275,71.9 65.575,71.9
  pour cut-out: 95.075,92.35 96.825,92.35 96.825,90.5 95.075,90.5
  pour cut-out: 45,7.6 79.3,7.6 79.3,2 45.05,2 45,2
Int1 (GND):
  pour cut-out: 38.375,70.7 38.375,70 36.225,70 36.225,66.7 35.575,66.7 35.575,64 37,64 37.525,63.475 37.525,62.1 21.05,62.1 21.05,68.75 26.025,68.75 26.025,75.125 34.675,75.125 34.675,70.7 36.225,70.7
  pour cut-out: 38.375,50.2 38.375,49.5 36.225,49.5 36.225,46.2 35.575,46.2 35.575,43.5 37,43.5 37.525,42.975 37.525,41.6 21.05,41.6 21.05,48.25 26.025,48.25 26.025,54.625 34.675,54.625 34.675,50.2 36.225,50.2
  pour cut-out: 38.375,29.7 38.375,29 36.225,29 36.225,25.7 35.575,25.7 35.575,23 37,23 37.525,22.475 37.525,21.1 21.05,21.1 21.05,27.75 26.025,27.75 26.025,34.125 34.675,34.125 34.675,29.7 36.225,29.7
  pour cut-out: 38.375,70.7 38.375,70 36.225,70 36.225,66.7 35.575,66.7 35.575,64 37,64 37.525,63.475 37.525,62.1 21.05,62.1 21.05,68.75 26.025,68.75 26.025,75.125 34.675,75.125 34.675,70.7 36.225,70.7
  pour cut-out: 38.375,50.2 38.375,49.5 36.225,49.5 36.225,46.2 35.575,46.2 35.575,43.5 37,43.5 37.525,42.975 37.525,41.6 21.05,41.6 21.05,48.25 26.025,48.25 26.025,54.625 34.675,54.625 34.675,50.2 36.225,50.2
  pour cut-out: 38.375,29.7 38.375,29 36.225,29 36.225,25.7 35.575,25.7 35.575,23 37,23 37.525,22.475 37.525,21.1 21.05,21.1 21.05,27.75 26.025,27.75 26.025,34.125 34.675,34.125 34.675,29.7 36.225,29.7
  pour cut-out: 38.375,91.2 38.375,90.5 36.225,90.5 36.225,87.2 35.575,87.2 35.575,84.5 37,84.5 37.525,83.975 37.525,82.6 21.05,82.6 21.05,89.25 26.025,89.25 26.025,95.625 34.675,95.625 34.675,91.2 36.225,91.2
Int2 (Sign):
  pour cut-out: 38.375,70.7 38.375,70 36.225,70 36.225,66.7 35.575,66.7 35.575,64 37,64 37.525,63.475 37.525,62.1 21.05,62.1 21.05,68.75 26.025,68.75 26.025,75.125 34.675,75.125 34.675,70.7 36.225,70.7
  pour cut-out: 38.375,50.2 38.375,49.5 36.225,49.5 36.225,46.2 35.575,46.2 35.575,43.5 37,43.5 37.525,42.975 37.525,41.6 21.05,41.6 21.05,48.25 26.025,48.25 26.025,54.625 34.675,54.625 34.675,50.2 36.225,50.2
  pour cut-out: 38.375,29.7 38.375,29 36.225,29 36.225,25.7 35.575,25.7 35.575,23 37,23 37.525,22.475 37.525,21.1 21.05,21.1 21.05,27.75 26.025,27.75 26.025,34.125 34.675,34.125 34.675,29.7 36.225,29.7
  pour cut-out: 38.375,70.7 38.375,70 36.225,70 36.225,66.7 35.575,66.7 35.575,64 37,64 37.525,63.475 37.525,62.1 21.05,62.1 21.05,68.75 26.025,68.75 26.025,75.125 34.675,75.125 34.675,70.7 36.225,70.7
  pour cut-out: 38.375,50.2 38.375,49.5 36.225,49.5 36.225,46.2 35.575,46.2 35.575,43.5 37,43.5 37.525,42.975 37.525,41.6 21.05,41.6 21.05,48.25 26.025,48.25 26.025,54.625 34.675,54.625 34.675,50.2 36.225,50.2
  pour cut-out: 38.375,29.7 38.375,29 36.225,29 36.225,25.7 35.575,25.7 35.575,23 37,23 37.525,22.475 37.525,21.1 21.05,21.1 21.05,27.75 26.025,27.75 26.025,34.125 34.675,34.125 34.675,29.7 36.225,29.7
  pour cut-out: 38.375,91.2 38.375,90.5 36.225,90.5 36.225,87.2 35.575,87.2 35.575,84.5 37,84.5 37.525,83.975 37.525,82.6 21.05,82.6 21.05,89.25 26.025,89.25 26.025,95.625 34.675,95.625 34.675,91.2 36.225,91.2
Int3 (Sign):
  pour cut-out: 38.375,70.7 38.375,70 36.225,70 36.225,66.7 35.575,66.7 35.575,64 37,64 37.525,63.475 37.525,62.1 21.05,62.1 21.05,68.75 26.025,68.75 26.025,75.125 34.675,75.125 34.675,70.7 36.225,70.7
  pour cut-out: 38.375,50.2 38.375,49.5 36.225,49.5 36.225,46.2 35.575,46.2 35.575,43.5 37,43.5 37.525,42.975 37.525,41.6 21.05,41.6 21.05,48.25 26.025,48.25 26.025,54.625 34.675,54.625 34.675,50.2 36.225,50.2
  pour cut-out: 38.375,29.7 38.375,29 36.225,29 36.225,25.7 35.575,25.7 35.575,23 37,23 37.525,22.475 37.525,21.1 21.05,21.1 21.05,27.75 26.025,27.75 26.025,34.125 34.675,34.125 34.675,29.7 36.225,29.7
  pour cut-out: 38.375,70.7 38.375,70 36.225,70 36.225,66.7 35.575,66.7 35.575,64 37,64 37.525,63.475 37.525,62.1 21.05,62.1 21.05,68.75 26.025,68.75 26.025,75.125 34.675,75.125 34.675,70.7 36.225,70.7
  pour cut-out: 38.375,50.2 38.375,49.5 36.225,49.5 36.225,46.2 35.575,46.2 35.575,43.5 37,43.5 37.525,42.975 37.525,41.6 21.05,41.6 21.05,48.25 26.025,48.25 26.025,54.625 34.675,54.625 34.675,50.2 36.225,50.2
  pour cut-out: 38.375,29.7 38.375,29 36.225,29 36.225,25.7 35.575,25.7 35.575,23 37,23 37.525,22.475 37.525,21.1 21.05,21.1 21.05,27.75 26.025,27.75 26.025,34.125 34.675,34.125 34.675,29.7 36.225,29.7
  pour cut-out: 38.375,91.2 38.375,90.5 36.225,90.5 36.225,87.2 35.575,87.2 35.575,84.5 37,84.5 37.525,83.975 37.525,82.6 21.05,82.6 21.05,89.25 26.025,89.25 26.025,95.625 34.675,95.625 34.675,91.2 36.225,91.2
Bottom Layer:
  pour cut-out: 45,7.6 79.3,7.6 79.3,2 45.05,2 45,2

## Silkscreen, mask and mechanical layers (free items; w line width, h text height)
Top Overlay:
  lines w0.1: 0,6.5 15,6.5 15,14.75 33.35,14.75 33.35,6.5 41.35,6.5 ; 0,99.5 7.65,99.525 ; 81.175,14.75 119,14.75
  lines w0.25: 53,15.695 94.45,15.695 94.45,67.245 53,67.245 53,15.695
  text "COMP" at 8.575,94.348 h1.2
  text "GND" at 3.29,92.123 h1.2
  text "CLK IN/OUT" at 110.111,64.225 h1.5
  text "SYNC" at 110.111,34.491 h1.5
Bottom Overlay:
  lines w0.5: 113.625,49.5 119,49.5
  text "VREF" at 116.65,95.923 h1.2
  text "CP" at 80.638,95.398 h1.2
  text "-" at 75.375,94.028 h1.2
  text "+" at 77.69,94.028 h1.2
  text "-2V5" at 67.472,93.873 h1.2
  text "+5V" at 83.123,93.853 h1.2
  text "CPL4" at 24.112,93.771 h1.2
  text "BST IN" at 102.62,93.423 h1.2
  text "GND" at 116.65,93.383 h1.2
  text "+5V" at 93.773,93.353 h1.2
  text "GND" at 12.31,93.223 h1.2
  text "CH4_P" at 51.956,93.012 h1.2
  text "-" at 80.275,92.878 h1.2
  text "-4V8" at 74.531,92.673 h1.2
  text "CP" at 76.763,92.673 h1.2
  text "-" at 90.275,92.228 h1.2
  text "-" at 99.4,92.228 h1.2
  text "LDO" at 85.248,91.848 h1.2
  text "+" at 82.54,91.103 h1.2
  text "TCK" at 116.65,90.843 h1.2
  text "+" at 104.24,90.353 h1.2
  text "+4V8" at 90.251,89.373 h1.2
  text "-" at 84.625,89.303 h1.2
  text "+VUSB" at 106.607,88.673 h1.2
  text "TDO" at 116.65,88.303 h1.2
  text "SDA" at 75.59,88.273 h1.2
  text "+" at 90.365,88.153 h1.2
  text "+" at 99.49,88.153 h1.2
  text "SDA_5V" at 72.936,87.746 h1.2
  text "ATTEN4" at 27.8,87.221 h1.2
  text "BST OUT" at 94.135,86.673 h1.2
  text "+3V3" at 102.52,86.673 h1.2
  text "TRIM4" at 41.646,86.325 h1.2 r270
  text "TERM4" at 12.048,86.296 h1.2
  text "TDI" at 116.65,85.763 h1.2
  text "CH4_N" at 51.956,85.512 h1.2
  text "SCL" at 75.582,85.523 h1.2
  text "SCL_5V" at 72.936,84.996 h1.2
  text "PGA_CS4" at 43.271,83.225 h1.2 r270
  text "TMS" at 116.65,83.223 h1.2
  text "CLK_P" at 84.5,77.771 h1.2
  text "LDO" at 66.548,76.448 h1.2
  text "+1V92" at 63.858,76.046 h1.2
  text "VCM" at 74.057,74.448 h1.2
  text "PLL / RSTn" at 88.25,74.021 h1.2
  text "+" at 62.203,73.735 h1.2 r270
  text "-" at 65.925,73.703 h1.2
  text "CPL3" at 24.092,73.291 h1.2
  text "CH3_P" at 51.956,72.512 h1.2
  text "ACQ_EN" at 68.283,71.571 h1.2
  text "-" at 61.825,70.897 h1.2 r180
  text "+" at 58.585,70.897 h1.2 r180
  text "CLK_N" at 84.5,70.271 h1.2
  text "+1V8" at 69.051,68.098 h1.2
  text "BUCK" at 63.042,67.498 h1.2
  text "+3V3" at 59.895,67.489 h1.2
  text "ATTEN3" at 27.8,66.741 h1.2
  text "TERM3" at 12.104,65.871 h1.2
  text "TRIM3" at 41.646,65.825 h1.2 r270
  text "CH3_N" at 51.956,65.012 h1.2
  text "PGA_CS3" at 43.271,62.725 h1.2 r270
  text "CPL2" at 24.095,52.791 h1.2
  text "CH2_P" at 51.956,52.012 h1.2
  text "ATTEN2" at 27.8,46.241 h1.2
  text "TERM2" at 12.107,45.371 h1.2
  text "TRIM2" at 41.646,45.325 h1.2 r270
  text "CH2_N" at 51.956,44.512 h1.2
  text "PGA_CS2" at 43.271,42.225 h1.2 r270
  text "ADC_CSn" at 54.98,40.321 h1.2
  text "ADC_SDATA" at 54.98,38.721 h1.2
  text "ADC_SCLK" at 54.98,37.121 h1.2
  text "PGA_SDIO" at 54.98,35.521 h1.2
  text "PGA_SCLK" at 54.98,33.921 h1.2
  text "CPL1" at 24.092,32.221 h1.2
  text "CH1_P" at 51.956,31.512 h1.2
  text "+3V3_M2" at 76.796,31.021 h1.2
  text "+3V3" at 81.82,31.023 h1.2
  text "-" at 80.45,27.022 h1.2 r180
  text "+" at 74.997,26.99 h1.2 r90
  text "ATTEN1" at 27.8,25.671 h1.2
  text "TERM1" at 12.104,24.871 h1.2
  text "TRIM1" at 41.646,24.825 h1.2 r270
  text "CH1_N" at 51.956,24.012 h1.2
  text "PERSTn" at 59.01,23.948 h1.2
  text "PGA_CS1" at 43.271,21.725 h1.2 r270
  text "GND" at 115.31,19.573 h1.2
  text "+3V3_PCIe" at 56.209,15.471 h1.2
  text "+3V3" at 48.945,15.448 h1.2
  text "-" at 47.575,11.447 h1.2 r180
  text "+" at 53.847,11.44 h1.2 r90
Top Solder:
  drawing of 4 lines, arcs and shapes, not listed
  text "ThunderScope Rev.2" at 94.558,17.05 h2.5
  text "MB" at 9.493,8.2 h4
PCI-SIG Outline:
  the board outline again, w0.1
DrillDrawing:
  text "Drilling Details." at 225.001,138.483 h1
  text ".LEGEND" at 225.25,61.352 h1

## Dimensions
0,2 to 6,102 on PCI-SIG Dimensions
0,6.5 to 6,102 on PCI-SIG Dimensions
0,113.15 to 119,0 on PCI-SIG Dimensions

## Text inside footprints (layer, text, board x,y; h text height)
JM1: Top Overlay "1" at 85.692,29.554 h1.5 r270; Top Overlay "2" at 92.917,29.55 h1.5 r270
JM2: Top Overlay "1" at 53.692,29.554 h1.5 r270; Top Overlay "2" at 60.917,29.55 h1.5 r270
JM3: Top Overlay "1" at 80.685,16.497 h1.5; Top Overlay "2" at 80.688,23.722 h1.5